# KiCad board button_grid.kicad_pcb (continued)
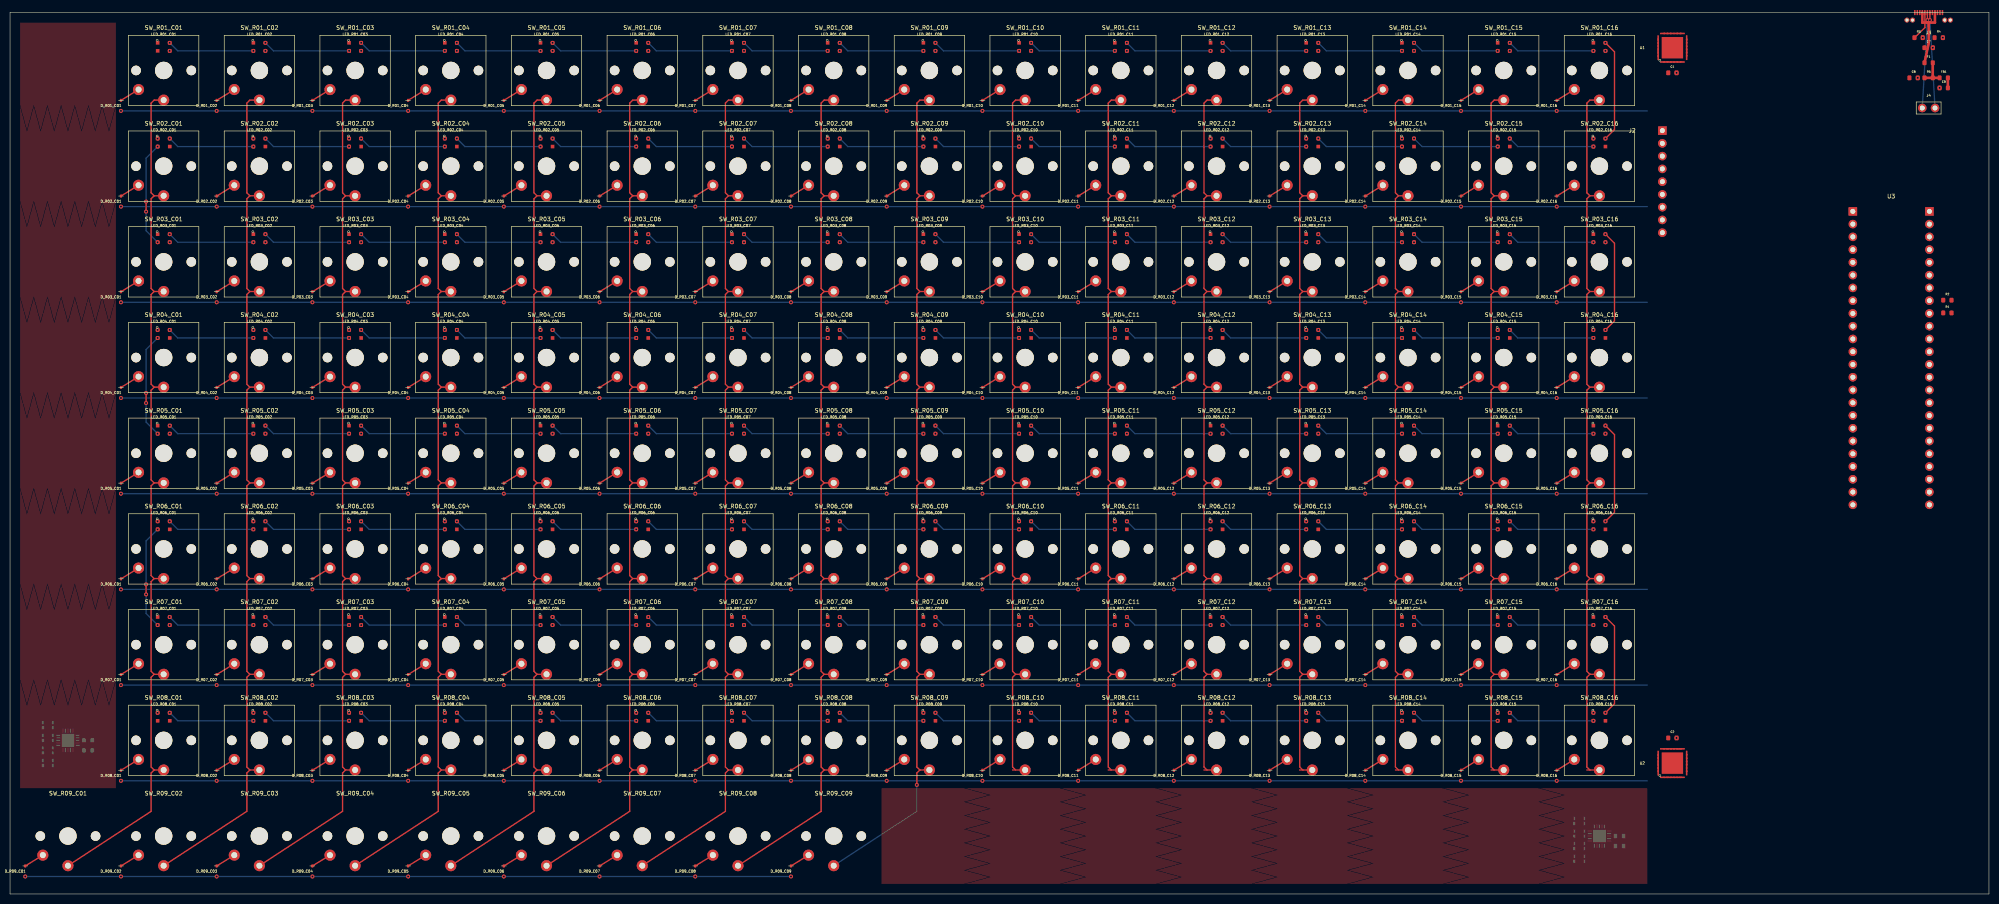
[diagram p0: board, top side]
## Routing (per net, layer and track width the routed paths; a pad name or vN(x,y) marks a point on that pad's centre or on a via; arc(x,y) is an arc through that point) (continued)
COL3: length 180.3
  Top w0.25: SW_R01_C04.1 85.83,158.02 85.22,157.42 85.22,139.57 85.83,138.97 ; 85.83,138.97 SW_R02_C04.1 ; 85.83,138.97 85.22,138.38 85.22,120.52 85.83,119.92 ; 85.83,119.92 SW_R03_C04.1 ; 85.83,119.92 85.22,119.32 85.22,101.47 85.83,100.87 ; 85.83,100.87 SW_R04_C04.1 ; 85.83,100.87 85.22,100.27 85.22,82.42 85.83,81.82 ; 85.83,81.82 SW_R05_C04.1 ; 85.83,81.82 85.22,81.22 85.22,63.37 85.83,62.77 ; 85.83,62.77 SW_R06_C04.1 ; 85.83,62.77 85.22,62.17 85.22,44.32 85.83,43.72 ; 85.83,43.72 SW_R07_C04.1 ; 85.83,43.72 85.22,43.12 85.22,25.27 85.83,24.67 ; 85.83,24.67 SW_R08_C04.1 ; 85.83,24.67 85.22,24.07 85.22,16.45 68.67,5.62
COL4: length 180.3
  Top w0.25: SW_R01_C05.1 104.88,158.02 104.28,157.42 104.28,139.57 104.88,138.97 ; 104.88,138.97 SW_R02_C05.1 ; 104.88,138.97 104.28,138.38 104.28,120.52 104.88,119.92 ; 104.88,119.92 SW_R03_C05.1 ; 104.88,119.92 104.28,119.32 104.28,101.47 104.88,100.87 ; 104.88,100.87 SW_R04_C05.1 ; 104.88,100.87 104.28,100.27 104.28,82.42 104.88,81.82 ; 104.88,81.82 SW_R05_C05.1 ; 104.88,81.82 104.28,81.22 104.28,63.37 104.88,62.77 ; 104.88,62.77 SW_R06_C05.1 ; 104.88,62.77 104.28,62.17 104.28,44.32 104.88,43.72 ; 104.88,43.72 SW_R07_C05.1 ; 104.88,43.72 104.28,43.12 104.28,25.27 104.88,24.67 ; 104.88,24.67 SW_R08_C05.1 ; 104.88,24.67 104.28,24.07 104.28,16.45 87.72,5.62
COL5: length 180.3
  Top w0.25: SW_R01_C06.1 123.92,158.02 123.33,157.42 123.33,139.57 123.92,138.97 ; 123.92,138.97 SW_R02_C06.1 ; 123.92,138.97 123.33,138.38 123.33,120.52 123.92,119.92 ; 123.92,119.92 SW_R03_C06.1 ; 123.92,119.92 123.33,119.32 123.33,101.47 123.92,100.87 ; 123.92,100.87 SW_R04_C06.1 ; 123.92,100.87 123.33,100.27 123.33,82.42 123.92,81.82 ; 123.92,81.82 SW_R05_C06.1 ; 123.92,81.82 123.33,81.22 123.33,63.37 123.92,62.77 ; 123.92,62.77 SW_R06_C06.1 ; 123.92,62.77 123.33,62.17 123.33,44.32 123.92,43.72 ; 123.92,43.72 SW_R07_C06.1 ; 123.92,43.72 123.33,43.12 123.33,25.27 123.92,24.67 ; 123.92,24.67 SW_R08_C06.1 ; 123.92,24.67 123.33,24.07 123.33,16.45 106.78,5.62
COL6: length 180.3
  Top w0.25: SW_R01_C07.1 142.97,158.02 142.38,157.42 142.38,139.57 142.97,138.97 ; 142.97,138.97 SW_R02_C07.1 ; 142.97,138.97 142.38,138.38 142.38,120.52 142.97,119.92 ; 142.97,119.92 SW_R03_C07.1 ; 142.97,119.92 142.38,119.32 142.38,101.47 142.97,100.87 ; 142.97,100.87 SW_R04_C07.1 ; 142.97,100.87 142.38,100.27 142.38,82.42 142.97,81.82 ; 142.97,81.82 SW_R05_C07.1 ; 142.97,81.82 142.38,81.22 142.38,63.37 142.97,62.77 ; 142.97,62.77 SW_R06_C07.1 ; 142.97,62.77 142.38,62.17 142.38,44.32 142.97,43.72 ; 142.97,43.72 SW_R07_C07.1 ; 142.97,43.72 142.38,43.12 142.38,25.27 142.97,24.67 ; 142.97,24.67 SW_R08_C07.1 ; 142.97,24.67 142.38,24.07 142.38,16.45 125.83,5.62
COL7: length 180.3
  Top w0.25: SW_R01_C08.1 162.03,158.02 161.43,157.42 161.43,139.57 162.03,138.97 ; 162.03,138.97 SW_R02_C08.1 ; 162.03,138.97 161.43,138.38 161.43,120.52 162.03,119.92 ; 162.03,119.92 SW_R03_C08.1 ; 162.03,119.92 161.43,119.32 161.43,101.47 162.03,100.87 ; 162.03,100.87 SW_R04_C08.1 ; 162.03,100.87 161.43,100.27 161.43,82.42 162.03,81.82 ; 162.03,81.82 SW_R05_C08.1 ; 162.03,81.82 161.43,81.22 161.43,63.37 162.03,62.77 ; 162.03,62.77 SW_R06_C08.1 ; 162.03,62.77 161.43,62.17 161.43,44.32 162.03,43.72 ; 162.03,43.72 SW_R07_C08.1 ; 162.03,43.72 161.43,43.12 161.43,25.27 162.03,24.67 ; 162.03,24.67 SW_R08_C08.1 ; 162.03,24.67 161.43,24.07 161.43,16.45 144.88,5.62
COL8: length 180.3
  Top w0.25: SW_R01_C09.1 181.07,158.02 180.47,157.42 180.47,139.57 181.07,138.97 ; 181.07,138.97 SW_R02_C09.1 ; 181.07,138.97 180.47,138.38 180.47,120.52 181.07,119.92 ; 181.07,119.92 SW_R03_C09.1 ; 181.07,119.92 180.47,119.32 180.47,101.47 181.07,100.87 ; 181.07,100.87 SW_R04_C09.1 ; 181.07,100.87 180.47,100.27 180.47,82.42 181.07,81.82 ; 181.07,81.82 SW_R05_C09.1 ; 181.07,81.82 180.47,81.22 180.47,63.37 181.07,62.77 ; 181.07,62.77 SW_R06_C09.1 ; 181.07,62.77 180.47,62.17 180.47,44.32 181.07,43.72 ; 181.07,43.72 SW_R07_C09.1 ; 181.07,43.72 180.47,43.12 180.47,25.27 181.07,24.67 ; 181.07,24.67 SW_R08_C09.1 ; 181.07,24.67 180.47,24.07 v1(180.47,21.7)
  Bottom w0.25: v1(180.47,21.7) 180.47,16.45 v1(163.93,5.62)
COL9: length 152.6
  Top w0.25: SW_R01_C10.1 200.12,158.02 199.53,157.42 199.53,139.57 200.12,138.97 ; 200.12,138.97 SW_R02_C10.1 ; 200.12,138.97 199.53,138.38 199.53,120.52 200.12,119.92 ; 200.12,119.92 SW_R03_C10.1 ; 200.12,119.92 199.53,119.32 199.53,101.47 200.12,100.87 ; 200.12,100.87 SW_R04_C10.1 ; 200.12,100.87 199.53,100.27 199.53,82.42 200.12,81.82 ; 200.12,81.82 SW_R05_C10.1 ; 200.12,81.82 199.53,81.22 199.53,63.37 200.12,62.77 ; 200.12,62.77 SW_R06_C10.1 ; 200.12,62.77 199.53,62.17 199.53,44.32 200.12,43.72 ; 200.12,43.72 SW_R07_C10.1 ; 200.12,43.72 199.53,43.12 199.53,25.27 200.12,24.67 ; SW_R08_C10.1 199.53,24.67
COL10: length 152.6
  Top w0.25: SW_R01_C11.1 219.18,158.02 218.57,157.42 218.57,139.57 219.18,138.97 ; 219.18,138.97 SW_R02_C11.1 ; 219.18,138.97 218.57,138.38 218.57,120.52 219.18,119.92 ; 219.18,119.92 SW_R03_C11.1 ; 219.18,119.92 218.57,119.32 218.57,101.47 219.18,100.87 ; 219.18,100.87 SW_R04_C11.1 ; 219.18,100.87 218.57,100.27 218.57,82.42 219.18,81.82 ; 219.18,81.82 SW_R05_C11.1 ; 219.18,81.82 218.57,81.22 218.57,63.37 219.18,62.77 ; 219.18,62.77 SW_R06_C11.1 ; 219.18,62.77 218.57,62.17 218.57,44.32 219.18,43.72 ; 219.18,43.72 SW_R07_C11.1 ; 219.18,43.72 218.57,43.12 218.57,25.27 219.18,24.67 ; SW_R08_C11.1 218.57,24.67
COL11: length 152.6
  Top w0.25: SW_R01_C12.1 238.22,158.02 237.62,157.42 237.62,139.57 238.22,138.97 ; 238.22,138.97 SW_R02_C12.1 ; 238.22,138.97 237.62,138.38 237.62,120.52 238.22,119.92 ; 238.22,119.92 SW_R03_C12.1 ; 238.22,119.92 237.62,119.32 237.62,101.47 238.22,100.87 ; 238.22,100.87 SW_R04_C12.1 ; 238.22,100.87 237.62,100.27 237.62,82.42 238.22,81.82 ; 238.22,81.82 SW_R05_C12.1 ; 238.22,81.82 237.62,81.22 237.62,63.37 238.22,62.77 ; 238.22,62.77 SW_R06_C12.1 ; 238.22,62.77 237.62,62.17 237.62,44.32 238.22,43.72 ; 238.22,43.72 SW_R07_C12.1 ; 238.22,43.72 237.62,43.12 237.62,25.27 238.22,24.67 ; SW_R08_C12.1 237.62,24.67
COL12: length 152.6
  Top w0.25: SW_R01_C13.1 257.27,158.02 256.68,157.42 256.68,139.57 257.27,138.97 ; 257.27,138.97 SW_R02_C13.1 ; 257.27,138.97 256.68,138.38 256.68,120.52 257.27,119.92 ; 257.27,119.92 SW_R03_C13.1 ; 257.27,119.92 256.68,119.32 256.68,101.47 257.27,100.87 ; 257.27,100.87 SW_R04_C13.1 ; 257.27,100.87 256.68,100.27 256.68,82.42 257.27,81.82 ; 257.27,81.82 SW_R05_C13.1 ; 257.27,81.82 256.68,81.22 256.68,63.37 257.27,62.77 ; 257.27,62.77 SW_R06_C13.1 ; 257.27,62.77 256.68,62.17 256.68,44.32 257.27,43.72 ; 257.27,43.72 SW_R07_C13.1 ; 257.27,43.72 256.68,43.12 256.68,25.27 257.27,24.67 ; SW_R08_C13.1 256.68,24.67
COL13: length 152.6
  Top w0.25: SW_R01_C14.1 276.32,158.02 275.73,157.42 275.73,139.57 276.32,138.97 ; 276.32,138.97 SW_R02_C14.1 ; 276.32,138.97 275.73,138.38 275.73,120.52 276.32,119.92 ; 276.32,119.92 SW_R03_C14.1 ; 276.32,119.92 275.73,119.32 275.73,101.47 276.32,100.87 ; 276.32,100.87 SW_R04_C14.1 ; 276.32,100.87 275.73,100.27 275.73,82.42 276.32,81.82 ; 276.32,81.82 SW_R05_C14.1 ; 276.32,81.82 275.73,81.22 275.73,63.37 276.32,62.77 ; 276.32,62.77 SW_R06_C14.1 ; 276.32,62.77 275.73,62.17 275.73,44.32 276.32,43.72 ; 276.32,43.72 SW_R07_C14.1 ; 276.32,43.72 275.73,43.12 275.73,25.27 276.32,24.67 ; SW_R08_C14.1 275.73,24.67
COL14: length 152.6
  Top w0.25: SW_R01_C15.1 295.38,158.02 294.77,157.42 294.77,139.57 295.38,138.97 ; 295.38,138.97 SW_R02_C15.1 ; 295.38,138.97 294.77,138.38 294.77,120.52 295.38,119.92 ; 295.38,119.92 SW_R03_C15.1 ; 295.38,119.92 294.77,119.32 294.77,101.47 295.38,100.87 ; 295.38,100.87 SW_R04_C15.1 ; 295.38,100.87 294.77,100.27 294.77,82.42 295.38,81.82 ; 295.38,81.82 SW_R05_C15.1 ; 295.38,81.82 294.77,81.22 294.77,63.37 295.38,62.77 ; 295.38,62.77 SW_R06_C15.1 ; 295.38,62.77 294.77,62.17 294.77,44.32 295.38,43.72 ; 295.38,43.72 SW_R07_C15.1 ; 295.38,43.72 294.77,43.12 294.77,25.27 295.38,24.67 ; SW_R08_C15.1 294.77,24.67
COL15: length 152.6
  Top w0.25: SW_R01_C16.1 314.43,158.02 313.82,157.42 313.82,139.57 314.43,138.97 ; 314.43,138.97 SW_R02_C16.1 ; 314.43,138.97 313.82,138.38 313.82,120.52 314.43,119.92 ; 314.43,119.92 SW_R03_C16.1 ; 314.43,119.92 313.82,119.32 313.82,101.47 314.43,100.87 ; 314.43,100.87 SW_R04_C16.1 ; 314.43,100.87 313.82,100.27 313.82,82.42 314.43,81.82 ; 314.43,81.82 SW_R05_C16.1 ; 314.43,81.82 313.82,81.22 313.82,63.37 314.43,62.77 ; 314.43,62.77 SW_R06_C16.1 ; 314.43,62.77 313.82,62.17 313.82,44.32 314.43,43.72 ; 314.43,43.72 SW_R07_C16.1 ; 314.43,43.72 313.82,43.12 313.82,25.27 314.43,24.67 ; SW_R08_C16.1 313.82,24.67
LED_CH1: length 17.3
  Bottom w0.25: v1(31.77,169.42) 33.38,167.82 v1(48.42,167.82)
LED_CH2: length 17.3
  Bottom w0.25: v1(50.83,169.42) 52.42,167.82 v1(67.47,167.82)
LED_CH3: length 17.3
  Bottom w0.25: v1(69.88,169.42) 71.47,167.82 v1(86.53,167.82)
LED_CH4: length 17.3
  Bottom w0.25: v1(88.92,169.42) 90.53,167.82 v1(105.58,167.82)
LED_CH5: length 17.3
  Bottom w0.25: v1(107.97,169.42) 109.58,167.82 v1(124.62,167.82)
LED_CH6: length 17.3
  Bottom w0.25: v1(127.03,169.42) 128.62,167.82 v1(143.68,167.82)
LED_CH7: length 17.3
  Bottom w0.25: v1(146.07,169.42) 147.68,167.82 v1(162.72,167.82)
LED_CH8: length 17.3
  Bottom w0.25: v1(165.12,169.42) 166.72,167.82 v1(181.78,167.82)
LED_CH9: length 17.3
  Bottom w0.25: v1(184.18,169.42) 185.78,167.82 v1(200.82,167.82)
LED_CH10: length 17.3
  Bottom w0.25: v1(203.22,169.42) 204.82,167.82 v1(219.88,167.82)
LED_CH11: length 17.3
  Bottom w0.25: v1(222.28,169.42) 223.88,167.82 v1(238.93,167.82)
LED_CH12: length 17.3
  Bottom w0.25: v1(241.32,169.42) 242.93,167.82 v1(257.98,167.82)
LED_CH13: length 17.3
  Bottom w0.25: v1(260.38,169.42) 261.98,167.82 v1(277.02,167.82)
LED_CH14: length 17.3
  Bottom w0.25: v1(279.43,169.42) 281.02,167.82 v1(296.07,167.82)
LED_CH15: length 17.3
  Bottom w0.25: v1(298.48,169.42) 300.07,167.82 v1(315.12,167.82)
LED_CH16: length 20.5
  Top w0.25: v1(317.52,169.42) 319.32,167.62 319.32,152.17 v1(317.52,150.38)
LED_CH17: length 17.3
  Bottom w0.25: v1(315.12,148.77) 300.07,148.77 v1(298.48,150.38)
LED_CH18: length 17.3
  Bottom w0.25: v1(296.07,148.77) 281.02,148.77 v1(279.43,150.38)
LED_CH19: length 17.3
  Bottom w0.25: v1(277.02,148.77) 261.98,148.77 v1(260.38,150.38)
LED_CH20: length 17.3
  Bottom w0.25: v1(257.98,148.77) 242.93,148.77 v1(241.32,150.38)
LED_CH21: length 17.3
  Bottom w0.25: v1(238.93,148.77) 223.88,148.77 v1(222.28,150.38)
LED_CH22: length 17.3
  Bottom w0.25: v1(219.88,148.77) 204.82,148.77 v1(203.22,150.38)
LED_CH23: length 17.3
  Bottom w0.25: v1(200.82,148.77) 185.78,148.77 v1(184.18,150.38)
LED_CH24: length 17.3
  Bottom w0.25: v1(181.78,148.77) 166.72,148.77 v1(165.12,150.38)
LED_CH25: length 17.3
  Bottom w0.25: v1(162.72,148.77) 147.68,148.77 v1(146.07,150.38)
LED_CH26: length 17.3
  Bottom w0.25: v1(143.68,148.77) 128.62,148.77 v1(127.03,150.38)
LED_CH27: length 17.3
  Bottom w0.25: v1(124.62,148.77) 109.58,148.77 v1(107.97,150.38)
LED_CH28: length 17.3
  Bottom w0.25: v1(105.58,148.77) 90.53,148.77 v1(88.92,150.38)
LED_CH29: length 17.3
  Bottom w0.25: v1(86.53,148.77) 71.47,148.77 v1(69.88,150.38)
LED_CH30: length 17.3
  Bottom w0.25: v1(67.47,148.77) 52.42,148.77 v1(50.83,150.38)
LED_CH31: length 17.3
  Bottom w0.25: v1(48.42,148.77) 33.38,148.77 v1(31.77,150.38)
LED_CH32: length 21
  Top w0.25: v1(27.07,137.82) v1(27.07,135.82)
  Bottom w0.25: v1(29.38,148.77) 27.07,146.47 v1(27.07,137.82) ; v1(27.07,135.82) 27.07,132.02 v1(29.38,129.72)
LED_CH33: length 17.3
  Bottom w0.25: v1(31.77,131.32) 33.38,129.72 v1(48.42,129.72)
LED_CH34: length 17.3
  Bottom w0.25: v1(50.83,131.32) 52.42,129.72 v1(67.47,129.72)
LED_CH35: length 17.3
  Bottom w0.25: v1(69.88,131.32) 71.47,129.72 v1(86.53,129.72)
LED_CH36: length 17.3
  Bottom w0.25: v1(88.92,131.32) 90.53,129.72 v1(105.58,129.72)
LED_CH37: length 17.3
  Bottom w0.25: v1(107.97,131.32) 109.58,129.72 v1(124.62,129.72)
LED_CH38: length 17.3
  Bottom w0.25: v1(127.03,131.32) 128.62,129.72 v1(143.68,129.72)
LED_CH39: length 17.3
  Bottom w0.25: v1(146.07,131.32) 147.68,129.72 v1(162.72,129.72)
LED_CH40: length 17.3
  Bottom w0.25: v1(165.12,131.32) 166.72,129.72 v1(181.78,129.72)
LED_CH41: length 17.3
  Bottom w0.25: v1(184.18,131.32) 185.78,129.72 v1(200.82,129.72)
LED_CH42: length 17.3
  Bottom w0.25: v1(203.22,131.32) 204.82,129.72 v1(219.88,129.72)
LED_CH43: length 17.3
  Bottom w0.25: v1(222.28,131.32) 223.88,129.72 v1(238.93,129.72)
LED_CH44: length 17.3
  Bottom w0.25: v1(241.32,131.32) 242.93,129.72 v1(257.98,129.72)
LED_CH45: length 17.3
  Bottom w0.25: v1(260.38,131.32) 261.98,129.72 v1(277.02,129.72)
LED_CH46: length 17.3
  Bottom w0.25: v1(279.43,131.32) 281.02,129.72 v1(296.07,129.72)
LED_CH47: length 17.3
  Bottom w0.25: v1(298.48,131.32) 300.07,129.72 v1(315.12,129.72)
LED_CH48: length 20.5
  Top w0.25: v1(317.52,131.32) 319.32,129.52 319.32,114.07 v1(317.52,112.27)
LED_CH49: length 17.3
  Bottom w0.25: v1(315.12,110.67) 300.07,110.67 v1(298.48,112.27)
LED_CH50: length 17.3
  Bottom w0.25: v1(296.07,110.67) 281.02,110.67 v1(279.43,112.27)
LED_CH51: length 17.3
  Bottom w0.25: v1(277.02,110.67) 261.98,110.67 v1(260.38,112.27)
LED_CH52: length 17.3
  Bottom w0.25: v1(257.98,110.67) 242.93,110.67 v1(241.32,112.27)
LED_CH53: length 17.3
  Bottom w0.25: v1(238.93,110.67) 223.88,110.67 v1(222.28,112.27)
LED_CH54: length 17.3
  Bottom w0.25: v1(219.88,110.67) 204.82,110.67 v1(203.22,112.27)
LED_CH55: length 17.3
  Bottom w0.25: v1(200.82,110.67) 185.78,110.67 v1(184.18,112.27)
LED_CH56: length 17.3
  Bottom w0.25: v1(181.78,110.67) 166.72,110.67 v1(165.12,112.27)
LED_CH57: length 17.3
  Bottom w0.25: v1(162.72,110.67) 147.68,110.67 v1(146.07,112.27)
LED_CH58: length 17.3
  Bottom w0.25: v1(143.68,110.67) 128.62,110.67 v1(127.03,112.27)
LED_CH59: length 17.3
  Bottom w0.25: v1(124.62,110.67) 109.58,110.67 v1(107.97,112.27)
LED_CH60: length 17.3
  Bottom w0.25: v1(105.58,110.67) 90.53,110.67 v1(88.92,112.27)
LED_CH61: length 17.3
  Bottom w0.25: v1(86.53,110.67) 71.47,110.67 v1(69.88,112.27)
LED_CH62: length 17.3
  Bottom w0.25: v1(67.47,110.67) 52.42,110.67 v1(50.83,112.27)
LED_CH63: length 17.3
  Bottom w0.25: v1(48.42,110.67) 33.38,110.67 v1(31.77,112.27)
LED_CH64: length 21
  Top w0.25: v1(27.07,99.72) v1(27.07,97.72)
  Bottom w0.25: v1(29.38,110.67) 27.07,108.37 v1(27.07,99.72) ; v1(27.07,97.72) 27.07,93.92 v1(29.38,91.62)
LED_CH65: length 17.3
  Bottom w0.25: v1(31.77,93.22) 33.38,91.62 v1(48.42,91.62)
LED_CH66: length 17.3
  Bottom w0.25: v1(50.83,93.22) 52.42,91.62 v1(67.47,91.62)
LED_CH67: length 17.3
  Bottom w0.25: v1(69.88,93.22) 71.47,91.62 v1(86.53,91.62)
LED_CH68: length 17.3
  Bottom w0.25: v1(88.92,93.22) 90.53,91.62 v1(105.58,91.62)
LED_CH69: length 17.3
  Bottom w0.25: v1(107.97,93.22) 109.58,91.62 v1(124.62,91.62)
LED_CH70: length 17.3
  Bottom w0.25: v1(127.03,93.22) 128.62,91.62 v1(143.68,91.62)
LED_CH71: length 17.3
  Bottom w0.25: v1(146.07,93.22) 147.68,91.62 v1(162.72,91.62)
LED_CH72: length 17.3
  Bottom w0.25: v1(165.12,93.22) 166.72,91.62 v1(181.78,91.62)
LED_CH73: length 17.3
  Bottom w0.25: v1(184.18,93.22) 185.78,91.62 v1(200.82,91.62)
LED_CH74: length 17.3
  Bottom w0.25: v1(203.22,93.22) 204.82,91.62 v1(219.88,91.62)
LED_CH75: length 17.3
  Bottom w0.25: v1(222.28,93.22) 223.88,91.62 v1(238.93,91.62)
LED_CH76: length 17.3
  Bottom w0.25: v1(241.32,93.22) 242.93,91.62 v1(257.98,91.62)
LED_CH77: length 17.3
  Bottom w0.25: v1(260.38,93.22) 261.98,91.62 v1(277.02,91.62)
LED_CH78: length 17.3
  Bottom w0.25: v1(279.43,93.22) 281.02,91.62 v1(296.07,91.62)
LED_CH79: length 17.3
  Bottom w0.25: v1(298.48,93.22) 300.07,91.62 v1(315.12,91.62)
LED_CH80: length 20.5
  Top w0.25: v1(317.52,93.22) 319.32,91.42 319.32,75.97 v1(317.52,74.17)
LED_CH81: length 17.3
  Bottom w0.25: v1(315.12,72.57) 300.07,72.57 v1(298.48,74.17)
LED_CH82: length 17.3
  Bottom w0.25: v1(296.07,72.57) 281.02,72.57 v1(279.43,74.17)
LED_CH83: length 17.3
  Bottom w0.25: v1(277.02,72.57) 261.98,72.57 v1(260.38,74.17)
LED_CH84: length 17.3
  Bottom w0.25: v1(257.98,72.57) 242.93,72.57 v1(241.32,74.17)
LED_CH85: length 17.3
  Bottom w0.25: v1(238.93,72.57) 223.88,72.57 v1(222.28,74.17)
LED_CH86: length 17.3
  Bottom w0.25: v1(219.88,72.57) 204.82,72.57 v1(203.22,74.17)
LED_CH87: length 17.3
  Bottom w0.25: v1(200.82,72.57) 185.78,72.57 v1(184.18,74.17)
LED_CH88: length 17.3
  Bottom w0.25: v1(181.78,72.57) 166.72,72.57 v1(165.12,74.17)
LED_CH89: length 17.3
  Bottom w0.25: v1(162.72,72.57) 147.68,72.57 v1(146.07,74.17)
LED_CH90: length 17.3
  Bottom w0.25: v1(143.68,72.57) 128.62,72.57 v1(127.03,74.17)
LED_CH91: length 17.3
  Bottom w0.25: v1(124.62,72.57) 109.58,72.57 v1(107.97,74.17)
LED_CH92: length 17.3
  Bottom w0.25: v1(105.58,72.57) 90.53,72.57 v1(88.92,74.17)
LED_CH93: length 17.3
  Bottom w0.25: v1(86.53,72.57) 71.47,72.57 v1(69.88,74.17)
LED_CH94: length 17.3
  Bottom w0.25: v1(67.47,72.57) 52.42,72.57 v1(50.83,74.17)
LED_CH95: length 17.3
  Bottom w0.25: v1(48.42,72.57) 33.38,72.57 v1(31.77,74.17)
LED_CH96: length 21
  Top w0.25: v1(27.07,61.62) v1(27.07,59.62)
  Bottom w0.25: v1(29.38,72.57) 27.07,70.27 v1(27.07,61.62) ; v1(27.07,59.62) 27.07,55.82 v1(29.38,53.52)
LED_CH97: length 17.3
  Bottom w0.25: v1(31.77,55.12) 33.38,53.52 v1(48.42,53.52)
LED_CH98: length 17.3
  Bottom w0.25: v1(50.83,55.12) 52.42,53.52 v1(67.47,53.52)
LED_CH99: length 17.3
  Bottom w0.25: v1(69.88,55.12) 71.47,53.52 v1(86.53,53.52)
LED_CH100: length 17.3
  Bottom w0.25: v1(88.92,55.12) 90.53,53.52 v1(105.58,53.52)
LED_CH101: length 17.3
  Bottom w0.25: v1(107.97,55.12) 109.58,53.52 v1(124.62,53.52)
LED_CH102: length 17.3
  Bottom w0.25: v1(127.03,55.12) 128.62,53.52 v1(143.68,53.52)
LED_CH103: length 17.3
  Bottom w0.25: v1(146.07,55.12) 147.68,53.52 v1(162.72,53.52)
LED_CH104: length 17.3
  Bottom w0.25: v1(165.12,55.12) 166.72,53.52 v1(181.78,53.52)
LED_CH105: length 17.3
  Bottom w0.25: v1(184.18,55.12) 185.78,53.52 v1(200.82,53.52)
LED_CH106: length 17.3
  Bottom w0.25: v1(203.22,55.12) 204.82,53.52 v1(219.88,53.52)
LED_CH107: length 17.3
  Bottom w0.25: v1(222.28,55.12) 223.88,53.52 v1(238.93,53.52)
LED_CH108: length 17.3
  Bottom w0.25: v1(241.32,55.12) 242.93,53.52 v1(257.98,53.52)
LED_CH109: length 17.3
  Bottom w0.25: v1(260.38,55.12) 261.98,53.52 v1(277.02,53.52)
LED_CH110: length 17.3
  Bottom w0.25: v1(279.43,55.12) 281.02,53.52 v1(296.07,53.52)
LED_CH111: length 17.3
  Bottom w0.25: v1(298.48,55.12) 300.07,53.52 v1(315.12,53.52)
LED_CH112: length 20.5
  Top w0.25: v1(317.52,55.12) 319.32,53.32 319.32,37.88 v1(317.52,36.07)
LED_CH113: length 17.3
  Bottom w0.25: v1(315.12,34.47) 300.07,34.47 v1(298.48,36.07)
LED_CH114: length 17.3
  Bottom w0.25: v1(296.07,34.47) 281.02,34.47 v1(279.43,36.07)
LED_CH115: length 17.3
  Bottom w0.25: v1(277.02,34.47) 261.98,34.47 v1(260.38,36.07)
LED_CH116: length 17.3
  Bottom w0.25: v1(257.98,34.47) 242.93,34.47 v1(241.32,36.07)
LED_CH117: length 17.3
  Bottom w0.25: v1(238.93,34.47) 223.88,34.47 v1(222.28,36.07)
LED_CH118: length 17.3
  Bottom w0.25: v1(219.88,34.47) 204.82,34.47 v1(203.22,36.07)
LED_CH119: length 17.3
  Bottom w0.25: v1(200.82,34.47) 185.78,34.47 v1(184.18,36.07)
LED_CH120: length 17.3
  Bottom w0.25: v1(181.78,34.47) 166.72,34.47 v1(165.12,36.07)
LED_CH121: length 17.3
  Bottom w0.25: v1(162.72,34.47) 147.68,34.47 v1(146.07,36.07)
LED_CH122: length 17.3
  Bottom w0.25: v1(143.68,34.47) 128.62,34.47 v1(127.03,36.07)
LED_CH123: length 17.3
  Bottom w0.25: v1(124.62,34.47) 109.58,34.47 v1(107.97,36.07)
LED_CH124: length 17.3
  Bottom w0.25: v1(105.58,34.47) 90.53,34.47 v1(88.92,36.07)
LED_CH125: length 17.3
  Bottom w0.25: v1(86.53,34.47) 71.47,34.47 v1(69.88,36.07)
LED_CH126: length 17.3
  Bottom w0.25: v1(67.47,34.47) 52.42,34.47 v1(50.83,36.07)
LED_CH127: length 17.3
  Bottom w0.25: v1(48.42,34.47) 33.38,34.47 v1(31.77,36.07)
ROW0: length 303.8
  Bottom w0.25: v1(22.07,155.88) v1(41.12,155.88) v1(60.17,155.88) v1(79.22,155.88) v1(98.28,155.88) v1(117.33,155.88) v1(136.38,155.88) v1(155.43,155.88) v1(174.47,155.88) v1(193.53,155.88) v1(212.57,155.88) v1(231.62,155.88) v1(250.68,155.88) v1(269.73,155.88) v1(288.77,155.88) v1(307.82,155.88) 325.85,155.88
ROW1: length 303.8
  Bottom w0.25: v1(22.07,136.82) v1(41.12,136.82) v1(60.17,136.82) v1(79.22,136.82) v1(98.28,136.82) v1(117.33,136.82) v1(136.38,136.82) v1(155.43,136.82) v1(174.47,136.82) v1(193.53,136.82) v1(212.57,136.82) v1(231.62,136.82) v1(250.68,136.82) v1(269.73,136.82) v1(288.77,136.82) v1(307.82,136.82) 325.85,136.82
ROW2: length 303.8
  Bottom w0.25: v1(22.07,117.77) v1(41.12,117.77) v1(60.17,117.77) v1(79.22,117.77) v1(98.28,117.77) v1(117.33,117.77) v1(136.38,117.77) v1(155.43,117.77) v1(174.47,117.77) v1(193.53,117.77) v1(212.57,117.77) v1(231.62,117.77) v1(250.68,117.77) v1(269.73,117.77) v1(288.77,117.77) v1(307.82,117.77) 325.85,117.77
ROW3: length 303.8
  Bottom w0.25: v1(22.07,98.72) v1(41.12,98.72) v1(60.17,98.72) v1(79.22,98.72) v1(98.28,98.72) v1(117.33,98.72) v1(136.38,98.72) v1(155.43,98.72) v1(174.47,98.72) v1(193.53,98.72) v1(212.57,98.72) v1(231.62,98.72) v1(250.68,98.72) v1(269.73,98.72) v1(288.77,98.72) v1(307.82,98.72) 325.85,98.72
ROW4: length 303.8
  Bottom w0.25: v1(22.07,79.67) v1(41.12,79.67) v1(60.17,79.67) v1(79.22,79.67) v1(98.28,79.67) v1(117.33,79.67) v1(136.38,79.67) v1(155.43,79.67) v1(174.47,79.67) v1(193.53,79.67) v1(212.57,79.67) v1(231.62,79.67) v1(250.68,79.67) v1(269.73,79.67) v1(288.77,79.67) v1(307.82,79.67) 325.85,79.67
ROW5: length 303.8
  Bottom w0.25: v1(22.07,60.62) v1(41.12,60.62) v1(60.17,60.62) v1(79.22,60.62) v1(98.28,60.62) v1(117.33,60.62) v1(136.38,60.62) v1(155.43,60.62) v1(174.47,60.62) v1(193.53,60.62) v1(212.57,60.62) v1(231.62,60.62) v1(250.68,60.62) v1(269.73,60.62) v1(288.77,60.62) v1(307.82,60.62) 325.85,60.62
ROW6: length 303.8
  Bottom w0.25: v1(22.07,41.57) v1(41.12,41.57) v1(60.17,41.57) v1(79.22,41.57) v1(98.28,41.57) v1(117.33,41.57) v1(136.38,41.57) v1(155.43,41.57) v1(174.47,41.57) v1(193.53,41.57) v1(212.57,41.57) v1(231.62,41.57) v1(250.68,41.57) v1(269.73,41.57) v1(288.77,41.57) v1(307.82,41.57) 325.85,41.57
ROW7: length 303.8
  Bottom w0.25: v1(22.07,22.52) v1(41.12,22.52) v1(60.17,22.52) v1(79.22,22.52) v1(98.28,22.52) v1(117.33,22.52) v1(136.38,22.52) v1(155.43,22.52) v1(174.47,22.52) v1(193.53,22.52) v1(212.57,22.52) v1(231.62,22.52) v1(250.68,22.52) v1(269.73,22.52) v1(288.77,22.52) v1(307.82,22.52) 325.85,22.52
ROW8: length 152.4
  Bottom w0.25: v1(3.02,3.47) v1(22.07,3.47) v1(41.12,3.47) v1(60.17,3.47) v1(79.22,3.47) v1(98.28,3.47) v1(117.33,3.47) v1(136.38,3.47) v1(155.43,3.47)
SW_0_0: length 4.1
  Top w0.25: SW_R01_C01.2 22.07,157.97
SW_0_1: length 4.1
  Top w0.25: SW_R01_C02.2 41.12,157.97
SW_0_2: length 4.1
  Top w0.25: SW_R01_C03.2 60.17,157.97
SW_0_3: length 4.1
  Top w0.25: SW_R01_C04.2 79.22,157.97
SW_0_4: length 4.1
  Top w0.25: SW_R01_C05.2 98.28,157.97
SW_0_5: length 4.1
  Top w0.25: SW_R01_C06.2 117.33,157.97
SW_0_6: length 4.1
  Top w0.25: SW_R01_C07.2 136.38,157.97
SW_0_7: length 4.1
  Top w0.25: SW_R01_C08.2 155.43,157.97
SW_0_8: length 4.1
  Top w0.25: SW_R01_C09.2 174.47,157.97
SW_0_9: length 4.1
  Top w0.25: SW_R01_C10.2 193.53,157.97
SW_0_10: length 4.1
  Top w0.25: SW_R01_C11.2 212.57,157.97
SW_0_11: length 4.1
  Top w0.25: SW_R01_C12.2 231.62,157.97
SW_0_12: length 4.1
  Top w0.25: SW_R01_C13.2 250.68,157.97
SW_0_13: length 4.1
  Top w0.25: SW_R01_C14.2 269.73,157.97
SW_0_14: length 4.1
  Top w0.25: SW_R01_C15.2 288.77,157.97
SW_0_15: length 4.1
  Top w0.25: SW_R01_C16.2 307.82,157.97
SW_1_0: length 4.1
  Top w0.25: SW_R02_C01.2 22.07,138.92
SW_1_1: length 4.1
  Top w0.25: SW_R02_C02.2 41.12,138.92
SW_1_2: length 4.1
  Top w0.25: SW_R02_C03.2 60.17,138.92
SW_1_3: length 4.1
  Top w0.25: SW_R02_C04.2 79.22,138.92
SW_1_4: length 4.1
  Top w0.25: SW_R02_C05.2 98.28,138.92
SW_1_5: length 4.1
  Top w0.25: SW_R02_C06.2 117.33,138.92
SW_1_6: length 4.1
  Top w0.25: SW_R02_C07.2 136.38,138.92
SW_1_7: length 4.1
  Top w0.25: SW_R02_C08.2 155.43,138.92
SW_1_8: length 4.1
  Top w0.25: SW_R02_C09.2 174.47,138.92
SW_1_9: length 4.1
  Top w0.25: SW_R02_C10.2 193.53,138.92
SW_1_10: length 4.1
  Top w0.25: SW_R02_C11.2 212.57,138.92
SW_1_11: length 4.1
  Top w0.25: SW_R02_C12.2 231.62,138.92
SW_1_12: length 4.1
  Top w0.25: SW_R02_C13.2 250.68,138.92
SW_1_13: length 4.1
  Top w0.25: SW_R02_C14.2 269.73,138.92
SW_1_14: length 4.1
  Top w0.25: SW_R02_C15.2 288.77,138.92
SW_1_15: length 4.1
  Top w0.25: SW_R02_C16.2 307.82,138.92
SW_2_0: length 4.1
  Top w0.25: SW_R03_C01.2 D_R03_C01.2
SW_2_1: length 4.1
  Top w0.25: SW_R03_C02.2 D_R03_C02.2
SW_2_2: length 4.1
  Top w0.25: SW_R03_C03.2 D_R03_C03.2
SW_2_3: length 4.1
  Top w0.25: SW_R03_C04.2 D_R03_C04.2
SW_2_4: length 4.1
  Top w0.25: SW_R03_C05.2 D_R03_C05.2
SW_2_5: length 4.1
  Top w0.25: SW_R03_C06.2 D_R03_C06.2
SW_2_6: length 4.1
  Top w0.25: SW_R03_C07.2 D_R03_C07.2
SW_2_7: length 4.1
  Top w0.25: SW_R03_C08.2 D_R03_C08.2
SW_2_8: length 4.1
  Top w0.25: SW_R03_C09.2 D_R03_C09.2
SW_2_9: length 4.1
  Top w0.25: SW_R03_C10.2 D_R03_C10.2
SW_2_10: length 4.1
  Top w0.25: SW_R03_C11.2 D_R03_C11.2
SW_2_11: length 4.1
  Top w0.25: SW_R03_C12.2 D_R03_C12.2
SW_2_12: length 4.1
  Top w0.25: SW_R03_C13.2 D_R03_C13.2
SW_2_13: length 4.1
  Top w0.25: SW_R03_C14.2 D_R03_C14.2
SW_2_14: length 4.1
  Top w0.25: SW_R03_C15.2 D_R03_C15.2
SW_2_15: length 4.1
  Top w0.25: SW_R03_C16.2 D_R03_C16.2
SW_3_0: length 4.1
  Top w0.25: SW_R04_C01.2 D_R04_C01.2
SW_3_1: length 4.1
  Top w0.25: SW_R04_C02.2 D_R04_C02.2
SW_3_2: length 4.1
  Top w0.25: SW_R04_C03.2 D_R04_C03.2
SW_3_3: length 4.1
  Top w0.25: SW_R04_C04.2 D_R04_C04.2
SW_3_4: length 4.1
  Top w0.25: SW_R04_C05.2 D_R04_C05.2
SW_3_5: length 4.1
  Top w0.25: SW_R04_C06.2 D_R04_C06.2
SW_3_6: length 4.1
  Top w0.25: SW_R04_C07.2 D_R04_C07.2
SW_3_7: length 4.1
  Top w0.25: SW_R04_C08.2 D_R04_C08.2
SW_3_8: length 4.1
  Top w0.25: SW_R04_C09.2 D_R04_C09.2
SW_3_9: length 4.1
  Top w0.25: SW_R04_C10.2 D_R04_C10.2
SW_3_10: length 4.1
  Top w0.25: SW_R04_C11.2 D_R04_C11.2
SW_3_11: length 4.1
  Top w0.25: SW_R04_C12.2 D_R04_C12.2
SW_3_12: length 4.1
  Top w0.25: SW_R04_C13.2 D_R04_C13.2
SW_3_13: length 4.1
  Top w0.25: SW_R04_C14.2 D_R04_C14.2
SW_3_14: length 4.1
  Top w0.25: SW_R04_C15.2 D_R04_C15.2
SW_3_15: length 4.1
  Top w0.25: SW_R04_C16.2 D_R04_C16.2
SW_4_0: length 4.1
  Top w0.25: SW_R05_C01.2 D_R05_C01.2
SW_4_1: length 4.1
  Top w0.25: SW_R05_C02.2 D_R05_C02.2
SW_4_2: length 4.1
  Top w0.25: SW_R05_C03.2 D_R05_C03.2
SW_4_3: length 4.1
  Top w0.25: SW_R05_C04.2 D_R05_C04.2
SW_4_4: length 4.1
  Top w0.25: SW_R05_C05.2 D_R05_C05.2
SW_4_5: length 4.1
  Top w0.25: SW_R05_C06.2 D_R05_C06.2
SW_4_6: length 4.1
  Top w0.25: SW_R05_C07.2 D_R05_C07.2
SW_4_7: length 4.1
  Top w0.25: SW_R05_C08.2 D_R05_C08.2
SW_4_8: length 4.1
  Top w0.25: SW_R05_C09.2 D_R05_C09.2
SW_4_9: length 4.1
  Top w0.25: SW_R05_C10.2 D_R05_C10.2
SW_4_10: length 4.1
  Top w0.25: SW_R05_C11.2 D_R05_C11.2
SW_4_11: length 4.1
  Top w0.25: SW_R05_C12.2 D_R05_C12.2
SW_4_12: length 4.1
  Top w0.25: SW_R05_C13.2 D_R05_C13.2
SW_4_13: length 4.1
  Top w0.25: SW_R05_C14.2 D_R05_C14.2
SW_4_14: length 4.1
  Top w0.25: SW_R05_C15.2 D_R05_C15.2
SW_4_15: length 4.1
  Top w0.25: SW_R05_C16.2 D_R05_C16.2
SW_5_0: length 4.1
  Top w0.25: SW_R06_C01.2 22.07,62.72
SW_5_1: length 4.1
  Top w0.25: SW_R06_C02.2 41.12,62.72
SW_5_2: length 4.1
  Top w0.25: SW_R06_C03.2 60.17,62.72
SW_5_3: length 4.1
  Top w0.25: SW_R06_C04.2 79.22,62.72
SW_5_4: length 4.1
  Top w0.25: SW_R06_C05.2 98.28,62.72
SW_5_5: length 4.1
  Top w0.25: SW_R06_C06.2 117.33,62.72
SW_5_6: length 4.1
  Top w0.25: SW_R06_C07.2 136.38,62.72
SW_5_7: length 4.1
  Top w0.25: SW_R06_C08.2 155.43,62.72
SW_5_8: length 4.1
  Top w0.25: SW_R06_C09.2 174.47,62.72
SW_5_9: length 4.1
  Top w0.25: SW_R06_C10.2 193.53,62.72
SW_5_10: length 4.1
  Top w0.25: SW_R06_C11.2 212.57,62.72
SW_5_11: length 4.1
  Top w0.25: SW_R06_C12.2 231.62,62.72
SW_5_12: length 4.1
  Top w0.25: SW_R06_C13.2 250.68,62.72
SW_5_13: length 4.1
  Top w0.25: SW_R06_C14.2 269.73,62.72
SW_5_14: length 4.1
  Top w0.25: SW_R06_C15.2 288.77,62.72
SW_5_15: length 4.1
  Top w0.25: SW_R06_C16.2 307.82,62.72
SW_6_0: length 4.1
  Top w0.25: SW_R07_C01.2 22.07,43.67
SW_6_1: length 4.1
  Top w0.25: SW_R07_C02.2 41.12,43.67
SW_6_2: length 4.1
  Top w0.25: SW_R07_C03.2 60.17,43.67
SW_6_3: length 4.1
  Top w0.25: SW_R07_C04.2 79.22,43.67
SW_6_4: length 4.1
  Top w0.25: SW_R07_C05.2 98.28,43.67
SW_6_5: length 4.1
  Top w0.25: SW_R07_C06.2 117.33,43.67
SW_6_6: length 4.1
  Top w0.25: SW_R07_C07.2 136.38,43.67
SW_6_7: length 4.1
  Top w0.25: SW_R07_C08.2 155.43,43.67
SW_6_8: length 4.1
  Top w0.25: SW_R07_C09.2 174.47,43.67
SW_6_9: length 4.1
  Top w0.25: SW_R07_C10.2 193.53,43.67
SW_6_10: length 4.1
  Top w0.25: SW_R07_C11.2 212.57,43.67
SW_6_11: length 4.1
  Top w0.25: SW_R07_C12.2 231.62,43.67
SW_6_12: length 4.1
  Top w0.25: SW_R07_C13.2 250.68,43.67
SW_6_13: length 4.1
  Top w0.25: SW_R07_C14.2 269.73,43.67
SW_6_14: length 4.1
  Top w0.25: SW_R07_C15.2 288.77,43.67
SW_6_15: length 4.1
  Top w0.25: SW_R07_C16.2 307.82,43.67
SW_7_0: length 4.1
  Top w0.25: SW_R08_C01.2 D_R08_C01.2
SW_7_1: length 4.1
  Top w0.25: SW_R08_C02.2 D_R08_C02.2
SW_7_2: length 4.1
  Top w0.25: SW_R08_C03.2 D_R08_C03.2
SW_7_3: length 4.1
  Top w0.25: SW_R08_C04.2 D_R08_C04.2
SW_7_4: length 4.1
  Top w0.25: SW_R08_C05.2 D_R08_C05.2
SW_7_5: length 4.1
  Top w0.25: SW_R08_C06.2 D_R08_C06.2
SW_7_6: length 4.1
  Top w0.25: SW_R08_C07.2 D_R08_C07.2
SW_7_7: length 4.1
  Top w0.25: SW_R08_C08.2 D_R08_C08.2
SW_7_8: length 4.1
  Top w0.25: SW_R08_C09.2 D_R08_C09.2
SW_7_9: length 4.1
  Top w0.25: SW_R08_C10.2 D_R08_C10.2
SW_7_10: length 4.1
  Top w0.25: SW_R08_C11.2 D_R08_C11.2
SW_7_11: length 4.1
  Top w0.25: SW_R08_C12.2 D_R08_C12.2
SW_7_12: length 4.1
  Top w0.25: SW_R08_C13.2 D_R08_C13.2
SW_7_13: length 4.1
  Top w0.25: SW_R08_C14.2 D_R08_C14.2
SW_7_14: length 4.1
  Top w0.25: SW_R08_C15.2 D_R08_C15.2
SW_7_15: length 4.1
  Top w0.25: SW_R08_C16.2 D_R08_C16.2
SW_R9_0: length 4.1
  Top w0.25: 6.53,7.72 D_R09_C01.2
SW_R9_1: length 4.1
  Top w0.25: 25.57,7.72 D_R09_C02.2
SW_R9_2: length 4.1
  Top w0.25: 44.62,7.72 D_R09_C03.2
SW_R9_3: length 4.1
  Top w0.25: 63.67,7.72 D_R09_C04.2
SW_R9_4: length 4.1
  Top w0.25: 82.72,7.72 D_R09_C05.2
SW_R9_5: length 4.1
  Top w0.25: 101.78,7.72 D_R09_C06.2
SW_R9_6: length 4.1
  Top w0.25: 120.83,7.72 D_R09_C07.2
SW_R9_7: length 4.1
  Top w0.25: 139.88,7.72 D_R09_C08.2
SW_R9_8: length 4.1
  Top w0.25: 158.93,7.72 D_R09_C09.2
USB_CC1: length 5.9
  Top w0.25: J3.A5 381.1,172.45 379.02,170.45
USB_D+: length 19
  Top w0.25: J3.A6 v1(381.6,173.95)
  Bottom w0.25: v1(381.6,173.95) v1(380.58,156.45)
USB_D-: length 19
  Top w0.25: J3.A7 v1(382.1,173.95)
  Bottom w0.25: v1(382.1,173.95) v1(383.12,156.45)
USB_VBUS: length 14.6
  Top w0.5: J3.A4 380.6,173.45 383.1,173.45 J3.A9 ; 381.85,173.45 381.85,169.27 381.02,165.45

## Copper pours and planes (outline as drawn; the poured copper is in the pictures)
GND on Bottom: 0,175.45 393.85,175.45 393.85,0 0,0
HSLIDER0 on Top: 173.45,21.05 173.45,2 189.85,2 194.85,3.36 189.85,4.72 194.85,6.08 189.85,7.44 194.85,8.8 189.85,10.16 194.85,11.52 189.85,12.89 194.85,14.25 189.85,15.61 194.85,16.97 189.85,18.33 194.85,19.69 189.85,21.05
HSLIDER1 on Top: 190.15,21.05 195.15,19.69 190.15,18.33 195.15,16.97 190.15,15.61 195.15,14.25 190.15,12.89 195.15,11.52 190.15,10.16 195.15,8.8 190.15,7.44 195.15,6.08 190.15,4.72 195.15,3.36 190.15,2 208.9,2 213.9,3.36 208.9,4.72 213.9,6.08 208.9,7.44 213.9,8.8 208.9,10.16 213.9,11.52 208.9,12.89 213.9,14.25 208.9,15.61 213.9,16.97 208.9,18.33 213.9,19.69 208.9,21.05
HSLIDER2 on Top: 209.2,21.05 214.2,19.69 209.2,18.33 214.2,16.97 209.2,15.61 214.2,14.25 209.2,12.89 214.2,11.52 209.2,10.16 214.2,8.8 209.2,7.44 214.2,6.08 209.2,4.72 214.2,3.36 209.2,2 227.95,2 232.95,3.36 227.95,4.72 232.95,6.08 227.95,7.44 232.95,8.8 227.95,10.16 232.95,11.52 227.95,12.89 232.95,14.25 227.95,15.61 232.95,16.97 227.95,18.33 232.95,19.69 227.95,21.05
HSLIDER3 on Top: 228.25,21.05 233.25,19.69 228.25,18.33 233.25,16.97 228.25,15.61 233.25,14.25 228.25,12.89 233.25,11.52 228.25,10.16 233.25,8.8 228.25,7.44 233.25,6.08 228.25,4.72 233.25,3.36 228.25,2 247,2 252,3.36 247,4.72 252,6.08 247,7.44 252,8.8 247,10.16 252,11.52 247,12.89 252,14.25 247,15.61 252,16.97 247,18.33 252,19.69 247,21.05
HSLIDER4 on Top: 247.3,21.05 252.3,19.69 247.3,18.33 252.3,16.97 247.3,15.61 252.3,14.25 247.3,12.89 252.3,11.52 247.3,10.16 252.3,8.8 247.3,7.44 252.3,6.08 247.3,4.72 252.3,3.36 247.3,2 266.05,2 271.05,3.36 266.05,4.72 271.05,6.08 266.05,7.44 271.05,8.8 266.05,10.16 271.05,11.52 266.05,12.89 271.05,14.25 266.05,15.61 271.05,16.97 266.05,18.33 271.05,19.69 266.05,21.05
HSLIDER5 on Top: 266.35,21.05 271.35,19.69 266.35,18.33 271.35,16.97 266.35,15.61 271.35,14.25 266.35,12.89 271.35,11.52 266.35,10.16 271.35,8.8 266.35,7.44 271.35,6.08 266.35,4.72 271.35,3.36 266.35,2 285.1,2 290.1,3.36 285.1,4.72 290.1,6.08 285.1,7.44 290.1,8.8 285.1,10.16 290.1,11.52 285.1,12.89 290.1,14.25 285.1,15.61 290.1,16.97 285.1,18.33 290.1,19.69 285.1,21.05
HSLIDER6 on Top: 285.4,21.05 290.4,19.69 285.4,18.33 290.4,16.97 285.4,15.61 290.4,14.25 285.4,12.89 290.4,11.52 285.4,10.16 290.4,8.8 285.4,7.44 290.4,6.08 285.4,4.72 290.4,3.36 285.4,2 304.15,2 309.15,3.36 304.15,4.72 309.15,6.08 304.15,7.44 309.15,8.8 304.15,10.16 309.15,11.52 304.15,12.89 309.15,14.25 304.15,15.61 309.15,16.97 304.15,18.33 309.15,19.69 304.15,21.05
HSLIDER7 on Top: 304.45,21.05 309.45,19.69 304.45,18.33 309.45,16.97 304.45,15.61 309.45,14.25 304.45,12.89 309.45,11.52 304.45,10.16 309.45,8.8 304.45,7.44 309.45,6.08 304.45,4.72 309.45,3.36 304.45,2 325.85,2 325.85,21.05
LED_VCC on Top: 21.05,173.45 325.85,173.45 325.85,21.05 21.05,21.05
VSLIDER0 on Top: 2,42.45 3.36,37.45 4.72,42.45 6.08,37.45 7.44,42.45 8.8,37.45 10.16,42.45 11.53,37.45 12.89,42.45 14.25,37.45 15.61,42.45 16.97,37.45 18.33,42.45 19.69,37.45 21.05,42.45 21.05,21.05 2,21.05
VSLIDER1 on Top: 2,61.5 3.36,56.5 4.72,61.5 6.08,56.5 7.44,61.5 8.8,56.5 10.16,61.5 11.53,56.5 12.89,61.5 14.25,56.5 15.61,61.5 16.97,56.5 18.33,61.5 19.69,56.5 21.05,61.5 21.05,42.75 19.69,37.75 18.33,42.75 16.97,37.75 15.61,42.75 14.25,37.75 12.89,42.75 11.53,37.75 10.16,42.75 8.8,37.75 7.44,42.75 6.08,37.75 4.72,42.75 3.36,37.75 2,42.75
VSLIDER2 on Top: 2,80.55 3.36,75.55 4.72,80.55 6.08,75.55 7.44,80.55 8.8,75.55 10.16,80.55 11.53,75.55 12.89,80.55 14.25,75.55 15.61,80.55 16.97,75.55 18.33,80.55 19.69,75.55 21.05,80.55 21.05,61.8 19.69,56.8 18.33,61.8 16.97,56.8 15.61,61.8 14.25,56.8 12.89,61.8 11.53,56.8 10.16,61.8 8.8,56.8 7.44,61.8 6.08,56.8 4.72,61.8 3.36,56.8 2,61.8
VSLIDER3 on Top: 2,99.6 3.36,94.6 4.72,99.6 6.08,94.6 7.44,99.6 8.8,94.6 10.16,99.6 11.53,94.6 12.89,99.6 14.25,94.6 15.61,99.6 16.97,94.6 18.33,99.6 19.69,94.6 21.05,99.6 21.05,80.85 19.69,75.85 18.33,80.85 16.97,75.85 15.61,80.85 14.25,75.85 12.89,80.85 11.53,75.85 10.16,80.85 8.8,75.85 7.44,80.85 6.08,75.85 4.72,80.85 3.36,75.85 2,80.85
VSLIDER4 on Top: 2,118.65 3.36,113.65 4.72,118.65 6.08,113.65 7.44,118.65 8.8,113.65 10.16,118.65 11.53,113.65 12.89,118.65 14.25,113.65 15.61,118.65 16.97,113.65 18.33,118.65 19.69,113.65 21.05,118.65 21.05,99.9 19.69,94.9 18.33,99.9 16.97,94.9 15.61,99.9 14.25,94.9 12.89,99.9 11.53,94.9 10.16,99.9 8.8,94.9 7.44,99.9 6.08,94.9 4.72,99.9 3.36,94.9 2,99.9
VSLIDER5 on Top: 2,137.7 3.36,132.7 4.72,137.7 6.08,132.7 7.44,137.7 8.8,132.7 10.16,137.7 11.53,132.7 12.89,137.7 14.25,132.7 15.61,137.7 16.97,132.7 18.33,137.7 19.69,132.7 21.05,137.7 21.05,118.95 19.69,113.95 18.33,118.95 16.97,113.95 15.61,118.95 14.25,113.95 12.89,118.95 11.53,113.95 10.16,118.95 8.8,113.95 7.44,118.95 6.08,113.95 4.72,118.95 3.36,113.95 2,118.95
VSLIDER6 on Top: 2,156.75 3.36,151.75 4.72,156.75 6.08,151.75 7.44,156.75 8.8,151.75 10.16,156.75 11.53,151.75 12.89,156.75 14.25,151.75 15.61,156.75 16.97,151.75 18.33,156.75 19.69,151.75 21.05,156.75 21.05,138 19.69,133 18.33,138 16.97,133 15.61,138 14.25,133 12.89,138 11.53,133 10.16,138 8.8,133 7.44,138 6.08,133 4.72,138 3.36,133 2,138
VSLIDER7 on Top: 2,173.45 21.05,173.45 21.05,157.05 19.69,152.05 18.33,157.05 16.97,152.05 15.61,157.05 14.25,152.05 12.89,157.05 11.53,152.05 10.16,157.05 8.8,152.05 7.44,157.05 6.08,152.05 4.72,157.05 3.36,152.05 2,157.05
